# Altium PCB touch-2ch-v4.PcbDoc (part 5 of 8)
Units mm, origin at the board's own origin, x right, y up, seen from the top; angles counter-clockwise.
Board outline 39.88 x 84.36 mm, 2 copper layers (Top Layer, Bottom Layer); 1029 components, 40 nets, 2604 pads, 0 vias.
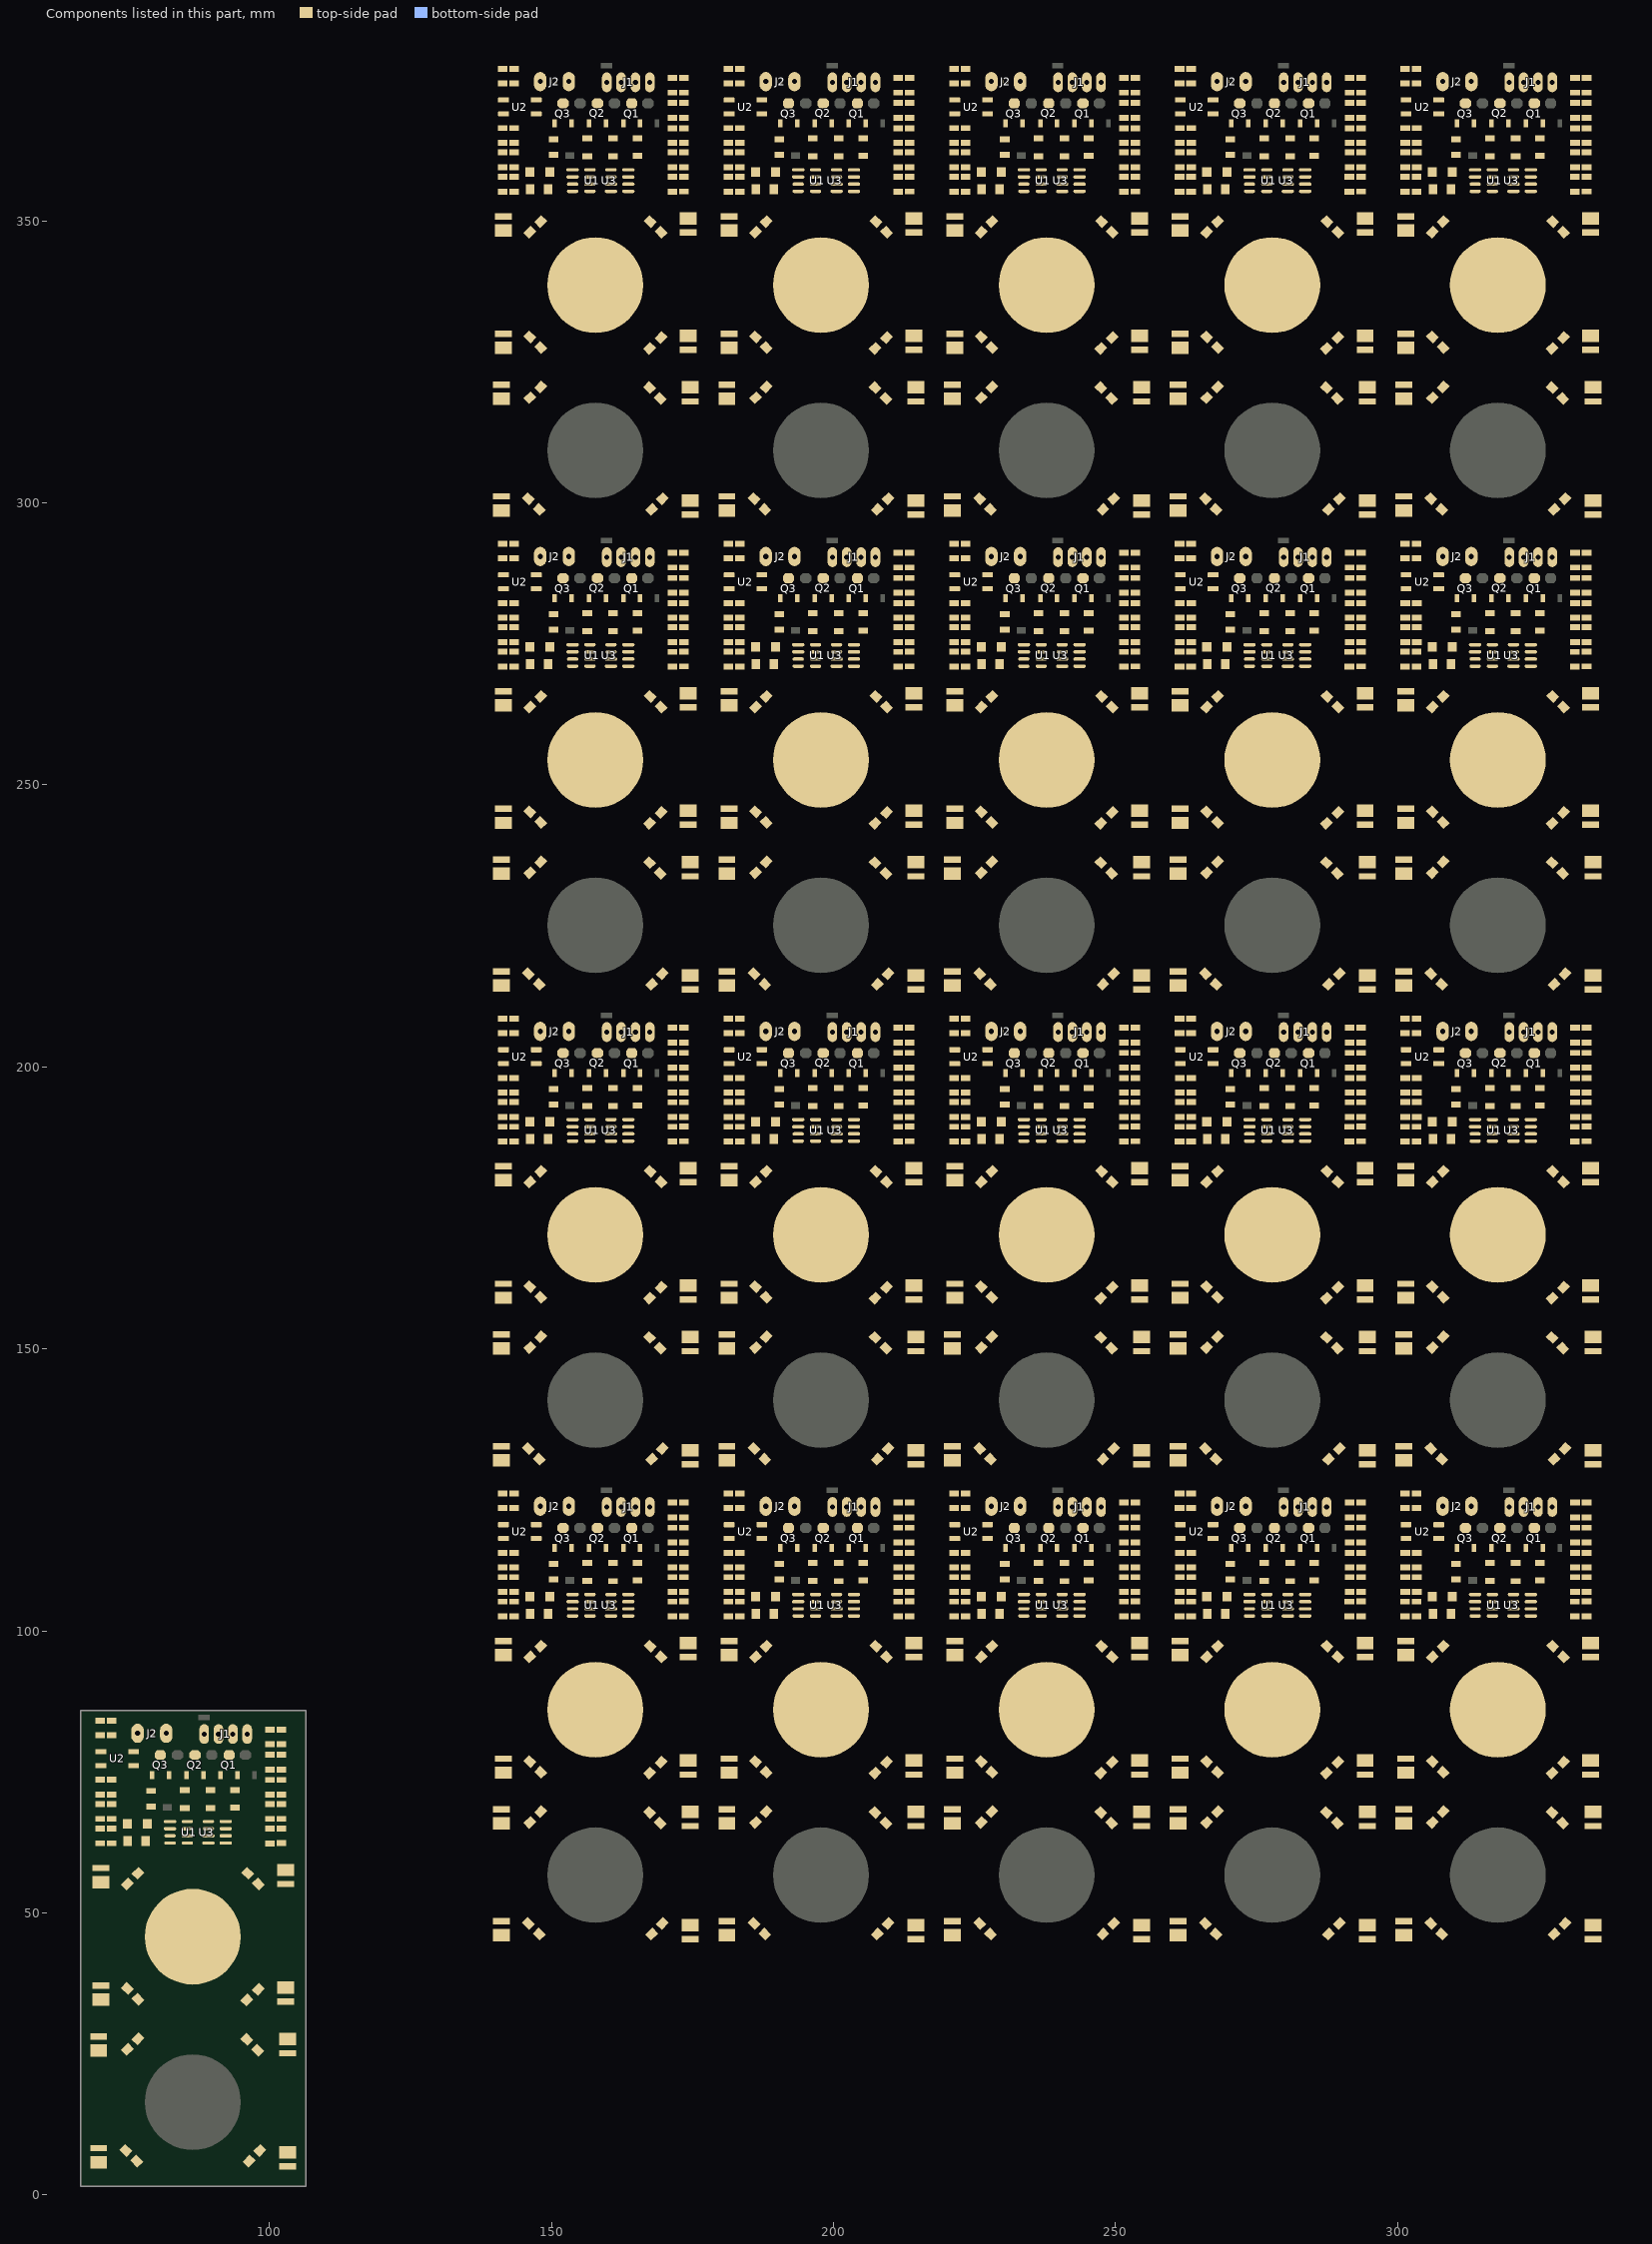
[diagram p5: the components of this part, seen from the top]

## Nets (pads, with @x,y where several pads share a name; then routed paths per layer and width w, separated by ;. In a path a pad name is that pad's centre, name@x,y a point inside that pad or via, vN(x,y) a via of type N, cw(c..) or ccw(c..) an arc to the next point about the centre after c; other vN are vias at no path point) (continued)
copper on no net: (continued)
  Top Layer w0.6: 139.606,97.95 140.859,97.95 141.097,98.188 ; 139.606,182.15 140.859,182.15 141.097,182.388 ; 139.606,266.35 140.859,266.35 141.097,266.588 ; 139.606,350.55 140.859,350.55 141.097,350.788 ; 141.097,68.343 140.147,68.343 139.847,68.643 139.847,68.856 138.947,69.756 138.947,97.529 139.399,97.981 139.606,98.188 ; 141.097,152.543 140.147,152.543 139.847,152.843 139.847,153.056 138.947,153.956 138.947,181.729 139.399,182.181 139.606,182.388 ; 141.097,236.743 140.147,236.743 139.847,237.043 139.847,237.256 138.947,238.156 138.947,265.929 139.399,266.381 139.606,266.588 ; 141.097,320.943 140.147,320.943 139.847,321.243 139.847,321.456 138.947,322.356 138.947,350.129 139.399,350.581 139.606,350.788 ; 141.478,98.188 140.859,98.188 139.606,98.188 ; 141.478,182.388 140.859,182.388 139.606,182.388 ; 141.478,266.588 140.859,266.588 139.606,266.588 ; 141.478,350.788 140.859,350.788 139.606,350.788 ; 143.355,121.768 141.351,121.768 140.945,121.768 139.192,120.015 139.192,98.539 139.543,98.188 139.606,98.188 ; 143.355,205.968 141.351,205.968 140.945,205.968 139.192,204.215 139.192,182.739 139.543,182.388 139.606,182.388 ; 143.355,290.168 141.351,290.168 140.945,290.168 139.192,288.415 139.192,266.939 139.543,266.588 139.606,266.588 ; 143.355,374.368 141.351,374.368 140.945,374.368 139.192,372.615 139.192,351.139 139.543,350.788 139.606,350.788 ; 147.299,116.377 147.419,116.377 147.574,116.222 147.574,114.808 149.818,112.564 149.818,112.112 150.043,111.887 150.368,111.887 ; 147.299,200.577 147.419,200.577 147.574,200.422 147.574,199.008 149.818,196.764 149.818,196.312 150.043,196.087 150.368,196.087 ; 147.299,284.777 147.419,284.777 147.574,284.622 147.574,283.208 149.818,280.964 149.818,280.512 150.043,280.287 150.368,280.287 ; 147.299,368.977 147.419,368.977 147.574,368.822 147.574,367.408 149.818,365.164 149.818,364.712 150.043,364.487 150.368,364.487 ; 150.719,109.067 150.918,108.868 150.918,108.162 152.632,106.448 153.751,106.448 ; 150.719,193.267 150.918,193.068 150.918,192.362 152.632,190.648 153.751,190.648 ; 150.719,277.467 150.918,277.268 150.918,276.562 152.632,274.848 153.751,274.848 ; 150.719,361.667 150.918,361.468 150.918,360.762 152.632,359.048 153.751,359.048 ; 153.459,106.448 157.425,106.448 ; 153.459,190.648 157.425,190.648 ; 153.459,274.848 157.425,274.848 ; 153.459,359.048 157.425,359.048 ; 153.542,114.682 153.542,114.382 153.642,114.281 153.79,114.281 156.035,112.036 156.36,112.036 ; 153.542,198.881 153.542,198.582 153.642,198.481 153.79,198.481 156.035,196.236 156.36,196.236 ; 153.542,283.081 153.542,282.781 153.642,282.681 153.79,282.681 156.035,280.436 156.36,280.436 ; 153.542,367.281 153.542,366.981 153.642,366.881 153.79,366.881 156.035,364.636 156.36,364.636 ; 153.566,114.449 153.566,115.092 ; 153.566,198.649 153.566,199.292 ; 153.566,282.849 153.566,283.492 ; 153.566,367.049 153.566,367.692 ; 153.751,102.638 154.595,102.638 155.451,103.494 155.451,103.508 155.851,103.908 156.707,103.908 ; 153.751,186.838 154.595,186.838 155.451,187.694 155.451,187.708 155.851,188.108 156.707,188.108 ; 153.751,271.038 154.595,271.038 155.451,271.894 155.451,271.908 155.851,272.308 156.707,272.308 ; 153.751,355.238 154.595,355.238 155.451,356.094 155.451,356.107 155.851,356.508 156.707,356.508 ; 159.662,114.403 159.762,114.303 ; 159.662,198.603 159.762,198.503 ; 159.662,282.803 159.762,282.703 ; 159.662,367.003 159.762,366.903 ; 159.763,114.303 160.274,113.792 160.274,112.262 160.499,112.036 160.678,112.036 ; 159.763,198.503 160.274,197.992 160.274,196.461 160.499,196.236 160.678,196.236 ; 159.763,282.703 160.274,282.192 160.274,280.661 160.499,280.436 160.678,280.436 ; 159.763,366.903 160.274,366.392 160.274,364.861 160.499,364.636 160.678,364.636 ; 160.517,105.178 160.551,105.178 161.251,105.178 161.273,105.156 162.805,105.156 162.828,105.178 163.628,105.178 164.428,105.178 164.45,105.156 165.608,105.156 166.243,105.791 166.243,108.077 165.608,108.712 ; 160.517,189.378 160.551,189.378 161.251,189.378 161.273,189.356 162.805,189.356 162.828,189.378 163.628,189.378 164.428,189.378 164.45,189.356 165.608,189.356 166.243,189.991 166.243,192.277 165.608,192.912 ; 160.517,273.578 160.551,273.578 161.251,273.578 161.273,273.556 162.805,273.556 162.828,273.578 163.628,273.578 164.428,273.578 164.45,273.556 165.608,273.556 166.243,274.191 166.243,276.477 165.608,277.112 ; 160.517,357.778 160.551,357.778 161.251,357.778 161.273,357.756 162.805,357.756 162.828,357.778 163.628,357.778 164.428,357.778 164.45,357.756 165.608,357.756 166.243,358.391 166.243,360.677 165.608,361.312 ; 160.551,102.638 163.322,102.638 ; 160.551,186.838 163.322,186.838 ; 160.551,271.038 163.322,271.038 ; 160.551,355.238 163.322,355.238 ; 160.565,103.908 161.351,103.908 161.373,103.886 162.805,103.886 162.828,103.908 163.628,103.908 164.428,103.908 164.45,103.886 166.266,103.886 ; 160.565,188.108 161.351,188.108 161.373,188.086 162.805,188.086 162.828,188.108 163.628,188.108 164.428,188.108 164.45,188.086 166.266,188.086 ; 160.565,272.308 161.351,272.308 161.373,272.286 162.805,272.286 162.828,272.308 163.628,272.308 164.428,272.308 164.45,272.286 166.266,272.286 ; 160.565,356.508 161.351,356.508 161.373,356.486 162.805,356.486 162.828,356.508 163.628,356.508 164.428,356.508 164.45,356.486 166.266,356.486 ; 160.655,106.448 160.655,108.593 160.88,108.818 160.932,108.818 161.036,108.714 161.036,108.818 ; 160.655,190.648 160.655,192.793 160.88,193.018 160.932,193.018 161.036,192.914 161.036,193.018 ; 160.655,274.848 160.655,276.993 160.88,277.218 160.932,277.218 161.036,277.114 161.036,277.218 ; 160.655,359.048 160.655,361.193 160.88,361.418 160.932,361.418 161.036,361.314 161.036,361.418 ; 161.059,106.448 161.417,106.448 164.136,106.448 164.219,106.448 ; 161.059,190.648 161.417,190.648 164.136,190.648 164.219,190.648 ; 161.059,274.848 161.417,274.848 164.136,274.848 164.219,274.848 ; 161.059,359.048 161.417,359.048 164.136,359.048 164.219,359.048 ; 164.996,112.036 165.321,112.036 165.734,112.449 165.734,114.682 ; 164.996,196.236 165.321,196.236 165.734,196.649 165.734,198.881 ; 164.996,280.436 165.321,280.436 165.734,280.849 165.734,283.081 ; 164.996,364.636 165.321,364.636 165.734,365.049 165.734,367.281 ; 174.498,67.888 175.201,68.591 175.201,69.537 176.657,70.993 176.657,121.539 ; 174.498,152.088 175.201,152.791 175.201,153.737 176.657,155.193 176.657,205.739 ; 174.498,236.288 175.201,236.991 175.201,237.937 176.657,239.393 176.657,289.939 ; 174.498,320.488 175.201,321.191 175.201,322.137 176.657,323.593 176.657,374.139 ; 179.606,97.95 180.859,97.95 181.097,98.188 ; 179.606,182.15 180.859,182.15 181.097,182.388 ; 179.606,266.35 180.859,266.35 181.097,266.588 ; 179.606,350.55 180.859,350.55 181.097,350.788 ; 181.097,68.343 180.147,68.343 179.847,68.643 179.847,68.856 178.947,69.756 178.947,97.529 179.399,97.981 179.606,98.188 ; 181.097,152.543 180.147,152.543 179.847,152.843 179.847,153.056 178.947,153.956 178.947,181.729 179.399,182.181 179.606,182.388 ; 181.097,236.743 180.147,236.743 179.847,237.043 179.847,237.256 178.947,238.156 178.947,265.929 179.399,266.381 179.606,266.588 ; 181.097,320.943 180.147,320.943 179.847,321.243 179.847,321.456 178.947,322.356 178.947,350.129 179.399,350.581 179.606,350.788 ; 181.478,98.188 180.859,98.188 179.606,98.188 ; 181.478,182.388 180.859,182.388 179.606,182.388 ; 181.478,266.588 180.859,266.588 179.606,266.588 ; 181.478,350.788 180.859,350.788 179.606,350.788 ; 183.355,121.768 181.351,121.768 180.945,121.768 179.192,120.015 179.192,98.539 179.543,98.188 179.606,98.188 ; 183.355,205.968 181.351,205.968 180.945,205.968 179.192,204.215 179.192,182.739 179.543,182.388 179.606,182.388 ; 183.355,290.168 181.351,290.168 180.945,290.168 179.192,288.415 179.192,266.939 179.543,266.588 179.606,266.588 ; 183.355,374.368 181.351,374.368 180.945,374.368 179.192,372.615 179.192,351.139 179.543,350.788 179.606,350.788 ; 187.299,116.377 187.419,116.377 187.574,116.222 187.574,114.808 189.818,112.564 189.818,112.112 190.043,111.887 190.368,111.887 ; 187.299,200.577 187.419,200.577 187.574,200.422 187.574,199.008 189.818,196.764 189.818,196.312 190.043,196.087 190.368,196.087 ; 187.299,284.777 187.419,284.777 187.574,284.622 187.574,283.208 189.818,280.964 189.818,280.512 190.043,280.287 190.368,280.287 ; 187.299,368.977 187.419,368.977 187.574,368.822 187.574,367.408 189.818,365.164 189.818,364.712 190.043,364.487 190.368,364.487 ; 190.719,109.067 190.918,108.868 190.918,108.162 192.632,106.448 193.751,106.448 ; 190.719,193.267 190.918,193.068 190.918,192.362 192.632,190.648 193.751,190.648 ; 190.719,277.467 190.918,277.268 190.918,276.562 192.632,274.848 193.751,274.848 ; 190.719,361.667 190.918,361.468 190.918,360.762 192.632,359.048 193.751,359.048 ; 193.459,106.448 197.425,106.448 ; 193.459,190.648 197.425,190.648 ; 193.459,274.848 197.425,274.848 ; 193.459,359.048 197.425,359.048 ; 193.542,114.682 193.542,114.382 193.642,114.281 193.79,114.281 196.034,112.036 196.36,112.036 ; 193.542,198.881 193.542,198.582 193.642,198.481 193.79,198.481 196.034,196.236 196.36,196.236 ; 193.542,283.081 193.542,282.781 193.642,282.681 193.79,282.681 196.034,280.436 196.36,280.436 ; 193.542,367.281 193.542,366.981 193.642,366.881 193.79,366.881 196.034,364.636 196.36,364.636 ; 193.566,114.449 193.566,115.092 ; 193.566,198.649 193.566,199.292 ; 193.566,282.849 193.566,283.492 ; 193.566,367.049 193.566,367.692 ; 193.751,102.638 194.595,102.638 195.451,103.494 195.451,103.508 195.851,103.908 196.707,103.908 ; 193.751,186.838 194.595,186.838 195.451,187.694 195.451,187.708 195.851,188.108 196.707,188.108 ; 193.751,271.038 194.595,271.038 195.451,271.894 195.451,271.908 195.851,272.308 196.707,272.308 ; 193.751,355.238 194.595,355.238 195.451,356.094 195.451,356.107 195.851,356.508 196.707,356.508 ; 199.662,114.403 199.762,114.303 200.274,113.792 200.274,112.262 200.499,112.036 200.678,112.036 ; 199.662,198.603 199.762,198.503 200.274,197.992 200.274,196.461 200.499,196.236 200.678,196.236 ; 199.662,282.803 199.762,282.703 200.274,282.192 200.274,280.661 200.499,280.436 200.678,280.436 ; 199.662,367.003 199.762,366.903 200.274,366.392 200.274,364.861 200.499,364.636 200.678,364.636 ; 200.517,105.178 200.551,105.178 201.25,105.178 201.273,105.156 202.805,105.156 202.828,105.178 203.628,105.178 204.428,105.178 204.45,105.156 205.608,105.156 206.243,105.791 206.243,108.077 205.608,108.712 ; 200.517,189.378 200.551,189.378 201.25,189.378 201.273,189.356 202.805,189.356 202.828,189.378 203.628,189.378 204.428,189.378 204.45,189.356 205.608,189.356 206.243,189.991 206.243,192.277 205.608,192.912 ; 200.517,273.578 200.551,273.578 201.25,273.578 201.273,273.556 202.805,273.556 202.828,273.578 203.628,273.578 204.428,273.578 204.45,273.556 205.608,273.556 206.243,274.191 206.243,276.477 205.608,277.112 ; 200.517,357.778 200.551,357.778 201.25,357.778 201.273,357.756 202.805,357.756 202.828,357.778 203.628,357.778 204.428,357.778 204.45,357.756 205.608,357.756 206.243,358.391 206.243,360.677 205.608,361.312 ; 200.551,102.638 203.322,102.638 ; 200.551,186.838 203.322,186.838 ; 200.551,271.038 203.322,271.038 ; 200.551,355.238 203.322,355.238 ; 200.565,103.908 201.35,103.908 201.373,103.886 202.805,103.886 202.828,103.908 203.628,103.908 204.428,103.908 204.45,103.886 206.266,103.886 ; 200.565,188.108 201.35,188.108 201.373,188.086 202.805,188.086 202.828,188.108 203.628,188.108 204.428,188.108 204.45,188.086 206.266,188.086 ; 200.565,272.308 201.35,272.308 201.373,272.286 202.805,272.286 202.828,272.308 203.628,272.308 204.428,272.308 204.45,272.286 206.266,272.286 ; 200.565,356.508 201.35,356.508 201.373,356.486 202.805,356.486 202.828,356.508 203.628,356.508 204.428,356.508 204.45,356.486 206.266,356.486 ; 200.655,106.448 200.655,108.593 200.88,108.818 200.932,108.818 201.036,108.714 201.036,108.818 ; 200.655,190.648 200.655,192.793 200.88,193.018 200.932,193.018 201.036,192.914 201.036,193.018 ; 200.655,274.848 200.655,276.993 200.88,277.218 200.932,277.218 201.036,277.114 201.036,277.218 ; 200.655,359.048 200.655,361.193 200.88,361.418 200.932,361.418 201.036,361.314 201.036,361.418 ; 201.059,106.448 201.417,106.448 204.136,106.448 204.219,106.448 ; 201.059,190.648 201.417,190.648 204.136,190.648 204.219,190.648 ; 201.059,274.848 201.417,274.848 204.136,274.848 204.219,274.848 ; 201.059,359.048 201.417,359.048 204.136,359.048 204.219,359.048 ; 204.996,112.036 205.321,112.036 205.734,112.449 205.734,114.682 ; 204.996,196.236 205.321,196.236 205.734,196.649 205.734,198.881 ; 204.996,280.436 205.321,280.436 205.734,280.849 205.734,283.081 ; 204.996,364.636 205.321,364.636 205.734,365.049 205.734,367.281 ; 214.498,67.888 215.201,68.591 215.201,69.537 216.657,70.993 216.657,121.539 ; 214.498,152.088 215.201,152.791 215.201,153.737 216.657,155.193 216.657,205.739 ; 214.498,236.288 215.201,236.991 215.201,237.937 216.657,239.393 216.657,289.939 ; 214.498,320.488 215.201,321.191 215.201,322.137 216.657,323.593 216.657,374.139 ; 219.606,97.95 220.859,97.95 221.097,98.188 ; 219.606,182.15 220.859,182.15 221.097,182.388 ; 219.606,266.35 220.859,266.35 221.097,266.588 ; 219.606,350.55 220.859,350.55 221.097,350.788 ; 221.097,68.343 220.147,68.343 219.847,68.643 219.847,68.856 218.947,69.756 218.947,97.529 219.399,97.981 219.606,98.188 ; 221.097,152.543 220.147,152.543 219.847,152.843 219.847,153.056 218.947,153.956 218.947,181.729 219.399,182.181 219.606,182.388 ; 221.097,236.743 220.147,236.743 219.847,237.043 219.847,237.256 218.947,238.156 218.947,265.929 219.399,266.381 219.606,266.588 ; 221.097,320.943 220.147,320.943 219.847,321.243 219.847,321.456 218.947,322.356 218.947,350.129 219.399,350.581 219.606,350.788 ; 221.478,98.188 220.859,98.188 219.606,98.188 ; 221.478,182.388 220.859,182.388 219.606,182.388 ; 221.478,266.588 220.859,266.588 219.606,266.588 ; 221.478,350.788 220.859,350.788 219.606,350.788 ; 223.355,121.768 221.351,121.768 220.945,121.768 219.192,120.015 219.192,98.539 219.543,98.188 219.606,98.188 ; 223.355,205.968 221.351,205.968 220.945,205.968 219.192,204.215 219.192,182.739 219.543,182.388 219.606,182.388 ; 223.355,290.168 221.351,290.168 220.945,290.168 219.192,288.415 219.192,266.939 219.543,266.588 219.606,266.588 ; 223.355,374.368 221.351,374.368 220.945,374.368 219.192,372.615 219.192,351.139 219.543,350.788 219.606,350.788 ; 227.299,116.377 227.419,116.377 227.574,116.222 227.574,114.808 229.818,112.564 229.818,112.112 230.043,111.887 230.368,111.887 ; 227.299,200.577 227.419,200.577 227.574,200.422 227.574,199.008 229.818,196.764 229.818,196.312 230.043,196.087 230.368,196.087 ; 227.299,284.777 227.419,284.777 227.574,284.622 227.574,283.208 229.818,280.964 229.818,280.512 230.043,280.287 230.368,280.287 ; 227.299,368.977 227.419,368.977 227.574,368.822 227.574,367.408 229.818,365.164 229.818,364.712 230.043,364.487 230.368,364.487 ; 230.719,109.067 230.918,108.868 230.918,108.162 232.632,106.448 233.751,106.448 ; 230.719,193.267 230.918,193.068 230.918,192.362 232.632,190.648 233.751,190.648 ; 230.719,277.467 230.918,277.268 230.918,276.562 232.632,274.848 233.751,274.848 ; 230.719,361.667 230.918,361.468 230.918,360.762 232.632,359.048 233.751,359.048 ; 233.459,106.448 237.425,106.448 ; 233.459,190.648 237.425,190.648 ; 233.459,274.848 237.425,274.848 ; 233.459,359.048 237.425,359.048 ; 233.541,114.682 233.541,114.382 233.642,114.281 233.789,114.281 236.034,112.036 236.359,112.036 ; 233.541,198.881 233.541,198.582 233.642,198.481 233.789,198.481 236.034,196.236 236.359,196.236 ; 233.541,283.081 233.541,282.781 233.642,282.681 233.789,282.681 236.034,280.436 236.359,280.436 ; 233.541,367.281 233.541,366.981 233.642,366.881 233.789,366.881 236.034,364.636 236.359,364.636 ; 233.565,114.449 233.565,115.092 ; 233.565,198.649 233.565,199.292 ; 233.565,282.849 233.565,283.492 ; 233.565,367.049 233.565,367.692 ; 233.751,102.638 234.595,102.638 235.45,103.494 235.45,103.508 235.851,103.908 236.707,103.908 ; 233.751,186.838 234.595,186.838 235.45,187.694 235.45,187.708 235.851,188.108 236.707,188.108 ; 233.751,271.038 234.595,271.038 235.45,271.894 235.45,271.908 235.851,272.308 236.707,272.308 ; 233.751,355.238 234.595,355.238 235.45,356.094 235.45,356.107 235.851,356.508 236.707,356.508 ; 239.661,114.403 239.762,114.303 240.274,113.792 240.274,112.262 240.499,112.036 240.677,112.036 ; 239.661,198.603 239.762,198.503 240.274,197.992 240.274,196.461 240.499,196.236 240.677,196.236 ; 239.661,282.803 239.762,282.703 240.274,282.192 240.274,280.661 240.499,280.436 240.677,280.436 ; 239.661,367.003 239.762,366.903 240.274,366.392 240.274,364.861 240.499,364.636 240.677,364.636 ; 240.517,105.178 240.55,105.178 241.25,105.178 241.273,105.156 242.805,105.156 242.828,105.178 243.628,105.178 244.427,105.178 244.45,105.156 245.608,105.156 246.243,105.791 246.243,108.077 245.608,108.712 ; 240.517,189.378 240.55,189.378 241.25,189.378 241.273,189.356 242.805,189.356 242.828,189.378 243.628,189.378 244.427,189.378 244.45,189.356 245.608,189.356 246.243,189.991 246.243,192.277 245.608,192.912 ; 240.517,273.578 240.55,273.578 241.25,273.578 241.273,273.556 242.805,273.556 242.828,273.578 243.628,273.578 244.427,273.578 244.45,273.556 245.608,273.556 246.243,274.191 246.243,276.477 245.608,277.112 ; 240.517,357.778 240.55,357.778 241.25,357.778 241.273,357.756 242.805,357.756 242.828,357.778 243.628,357.778 244.427,357.778 244.45,357.756 245.608,357.756 246.243,358.391 246.243,360.677 245.608,361.312 ; 240.55,102.638 243.322,102.638 ; 240.55,186.838 243.322,186.838 ; 240.55,271.038 243.322,271.038 ; 240.55,355.238 243.322,355.238 ; 240.565,103.908 241.35,103.908 241.373,103.886 242.805,103.886 242.828,103.908 243.628,103.908 244.427,103.908 244.45,103.886 246.265,103.886 ; 240.565,188.108 241.35,188.108 241.373,188.086 242.805,188.086 242.828,188.108 243.628,188.108 244.427,188.108 244.45,188.086 246.265,188.086 ; 240.565,272.308 241.35,272.308 241.373,272.286 242.805,272.286 242.828,272.308 243.628,272.308 244.427,272.308 244.45,272.286 246.265,272.286 ; 240.565,356.508 241.35,356.508 241.373,356.486 242.805,356.486 242.828,356.508 243.628,356.508 244.427,356.508 244.45,356.486 246.265,356.486 ; 240.655,106.448 240.655,108.593 240.88,108.818 240.931,108.818 241.036,108.714 241.036,108.818 ; 240.655,190.648 240.655,192.793 240.88,193.018 240.931,193.018 241.036,192.914 241.036,193.018 ; 240.655,274.848 240.655,276.993 240.88,277.218 240.931,277.218 241.036,277.114 241.036,277.218 ; 240.655,359.048 240.655,361.193 240.88,361.418 240.931,361.418 241.036,361.314 241.036,361.418 ; 241.058,106.448 241.417,106.448 244.136,106.448 244.219,106.448 ; 241.058,190.648 241.417,190.648 244.136,190.648 244.219,190.648 ; 241.058,274.848 241.417,274.848 244.136,274.848 244.219,274.848 ; 241.058,359.048 241.417,359.048 244.136,359.048 244.219,359.048 ; 244.995,112.036 245.32,112.036 245.733,112.449 245.733,114.682 ; 244.995,196.236 245.32,196.236 245.733,196.649 245.733,198.881 ; 244.995,280.436 245.32,280.436 245.733,280.849 245.733,283.081 ; 244.995,364.636 245.32,364.636 245.733,365.049 245.733,367.281 ; 254.498,67.888 255.201,68.591 255.201,69.537 256.657,70.993 256.657,121.539 ; 254.498,152.088 255.201,152.791 255.201,153.737 256.657,155.193 256.657,205.739 ; 254.498,236.288 255.201,236.991 255.201,237.937 256.657,239.393 256.657,289.939 ; 254.498,320.488 255.201,321.191 255.201,322.137 256.657,323.593 256.657,374.139 ; 259.606,97.95 260.859,97.95 261.097,98.188 ; 259.606,182.15 260.859,182.15 261.097,182.388 ; 259.606,266.35 260.859,266.35 261.097,266.588 ; 259.606,350.55 260.859,350.55 261.097,350.788 ; 261.097,68.343 260.147,68.343 259.847,68.643 259.847,68.856 258.947,69.756 258.947,97.529 259.399,97.981 259.606,98.188 ; 261.097,152.543 260.147,152.543 259.847,152.843 259.847,153.056 258.947,153.956 258.947,181.729 259.399,182.181 259.606,182.388 ; 261.097,236.743 260.147,236.743 259.847,237.043 259.847,237.256 258.947,238.156 258.947,265.929 259.399,266.381 259.606,266.588 ; 261.097,320.943 260.147,320.943 259.847,321.243 259.847,321.456 258.947,322.356 258.947,350.129 259.399,350.581 259.606,350.788 ; 261.478,98.188 260.859,98.188 259.606,98.188 ; 261.478,182.388 260.859,182.388 259.606,182.388 ; 261.478,266.588 260.859,266.588 259.606,266.588 ; 261.478,350.788 260.859,350.788 259.606,350.788 ; 263.355,121.768 261.351,121.768 260.945,121.768 259.192,120.015 259.192,98.539 259.543,98.188 259.606,98.188 ; 263.355,205.968 261.351,205.968 260.945,205.968 259.192,204.215 259.192,182.739 259.543,182.388 259.606,182.388 ; 263.355,290.168 261.351,290.168 260.945,290.168 259.192,288.415 259.192,266.939 259.543,266.588 259.606,266.588 ; 263.355,374.368 261.351,374.368 260.945,374.368 259.192,372.615 259.192,351.139 259.543,350.788 259.606,350.788 ; 267.299,116.377 267.419,116.377 267.574,116.222 267.574,114.808 269.818,112.564 269.818,112.112 270.043,111.887 270.368,111.887 ; 267.299,200.577 267.419,200.577 267.574,200.422 267.574,199.008 269.818,196.764 269.818,196.312 270.043,196.087 270.368,196.087 ; 267.299,284.777 267.419,284.777 267.574,284.622 267.574,283.208 269.818,280.964 269.818,280.512 270.043,280.287 270.368,280.287 ; 267.299,368.977 267.419,368.977 267.574,368.822 267.574,367.408 269.818,365.164 269.818,364.712 270.043,364.487 270.368,364.487 ; 270.719,109.067 270.918,108.868 270.918,108.162 272.632,106.448 273.751,106.448 ; 270.719,193.267 270.918,193.068 270.918,192.362 272.632,190.648 273.751,190.648 ; 270.719,277.467 270.918,277.268 270.918,276.562 272.632,274.848 273.751,274.848 ; 270.719,361.667 270.918,361.468 270.918,360.762 272.632,359.048 273.751,359.048 ; 273.459,106.448 277.425,106.448 ; 273.459,190.648 277.425,190.648 ; 273.459,274.848 277.425,274.848 ; 273.459,359.048 277.425,359.048 ; 273.542,114.682 273.542,114.382 273.642,114.281 273.79,114.281 276.035,112.036 276.36,112.036 ; 273.542,198.881 273.542,198.582 273.642,198.481 273.79,198.481 276.035,196.236 276.36,196.236 ; 273.542,283.081 273.542,282.781 273.642,282.681 273.79,282.681 276.035,280.436 276.36,280.436 ; 273.542,367.281 273.542,366.981 273.642,366.881 273.79,366.881 276.035,364.636 276.36,364.636 ; 273.566,114.449 273.566,115.092 ; 273.566,198.649 273.566,199.292 ; 273.566,282.849 273.566,283.492 ; 273.566,367.049 273.566,367.692 ; 273.751,102.638 274.595,102.638 275.451,103.494 275.451,103.508 275.852,103.908 276.707,103.908 ; 273.751,186.838 274.595,186.838 275.451,187.694 275.451,187.708 275.852,188.108 276.707,188.108 ; 273.751,271.038 274.595,271.038 275.451,271.894 275.451,271.908 275.852,272.308 276.707,272.308 ; 273.751,355.238 274.595,355.238 275.451,356.094 275.451,356.107 275.852,356.508 276.707,356.508 ; 279.662,114.403 279.762,114.303 280.274,113.792 280.274,112.262 280.499,112.036 280.678,112.036 ; 279.662,198.603 279.762,198.503 280.274,197.992 280.274,196.461 280.499,196.236 280.678,196.236 ; 279.662,282.803 279.762,282.703 280.274,282.192 280.274,280.661 280.499,280.436 280.678,280.436 ; 279.662,367.003 279.762,366.903 280.274,366.392 280.274,364.861 280.499,364.636 280.678,364.636 ; 280.517,105.178 280.551,105.178 281.251,105.178 281.273,105.156 282.805,105.156 282.828,105.178 283.628,105.178 284.428,105.178 284.45,105.156 285.608,105.156 286.243,105.791 286.243,108.077 285.608,108.712 ; 280.517,189.378 280.551,189.378 281.251,189.378 281.273,189.356 282.805,189.356 282.828,189.378 283.628,189.378 284.428,189.378 284.45,189.356 285.608,189.356 286.243,189.991 286.243,192.277 285.608,192.912 ; 280.517,273.578 280.551,273.578 281.251,273.578 281.273,273.556 282.805,273.556 282.828,273.578 283.628,273.578 284.428,273.578 284.45,273.556 285.608,273.556 286.243,274.191 286.243,276.477 285.608,277.112 ; 280.517,357.778 280.551,357.778 281.251,357.778 281.273,357.756 282.805,357.756 282.828,357.778 283.628,357.778 284.428,357.778 284.45,357.756 285.608,357.756 286.243,358.391 286.243,360.677 285.608,361.312 ; 280.551,102.638 283.322,102.638 ; 280.551,186.838 283.322,186.838 ; 280.551,271.038 283.322,271.038 ; 280.551,355.238 283.322,355.238 ; 280.565,103.908 281.351,103.908 281.373,103.886 282.805,103.886 282.828,103.908 283.628,103.908 284.428,103.908 284.45,103.886 286.266,103.886 ; 280.565,188.108 281.351,188.108 281.373,188.086 282.805,188.086 282.828,188.108 283.628,188.108 284.428,188.108 284.45,188.086 286.266,188.086 ; 280.565,272.308 281.351,272.308 281.373,272.286 282.805,272.286 282.828,272.308 283.628,272.308 284.428,272.308 284.45,272.286 286.266,272.286 ; 280.565,356.508 281.351,356.508 281.373,356.486 282.805,356.486 282.828,356.508 283.628,356.508 284.428,356.508 284.45,356.486 286.266,356.486 ; 280.655,106.448 280.655,108.593 280.88,108.818 280.932,108.818 281.036,108.714 281.036,108.818 ; 280.655,190.648 280.655,192.793 280.88,193.018 280.932,193.018 281.036,192.914 281.036,193.018 ; 280.655,274.848 280.655,276.993 280.88,277.218 280.932,277.218 281.036,277.114 281.036,277.218 ; 280.655,359.048 280.655,361.193 280.88,361.418 280.932,361.418 281.036,361.314 281.036,361.418 ; 281.059,106.448 281.417,106.448 284.136,106.448 284.219,106.448 ; 281.059,190.648 281.417,190.648 284.136,190.648 284.219,190.648 ; 281.059,274.848 281.417,274.848 284.136,274.848 284.219,274.848 ; 281.059,359.048 281.417,359.048 284.136,359.048 284.219,359.048 ; 284.996,112.036 285.321,112.036 285.734,112.449 285.734,114.682 ; 284.996,196.236 285.321,196.236 285.734,196.649 285.734,198.881 ; 284.996,280.436 285.321,280.436 285.734,280.849 285.734,283.081 ; 284.996,364.636 285.321,364.636 285.734,365.049 285.734,367.281 ; 294.498,67.888 295.201,68.591 295.201,69.537 296.657,70.993 296.657,121.539 ; 294.498,152.088 295.201,152.791 295.201,153.737 296.657,155.193 296.657,205.739 ; 294.498,236.288 295.201,236.991 295.201,237.937 296.657,239.393 296.657,289.939 ; 294.498,320.488 295.201,321.191 295.201,322.137 296.657,323.593 296.657,374.139 ; 299.606,97.95 300.859,97.95 301.097,98.188 ; 299.606,182.15 300.859,182.15 301.097,182.388 ; 299.606,266.35 300.859,266.35 301.097,266.588 ; 299.606,350.55 300.859,350.55 301.097,350.788 ; 301.097,68.343 300.147,68.343 299.847,68.643 299.847,68.856 298.947,69.756 298.947,97.529 299.399,97.981 299.606,98.188 ; 301.097,152.543 300.147,152.543 299.847,152.843 299.847,153.056 298.947,153.956 298.947,181.729 299.399,182.181 299.606,182.388 ; 301.097,236.743 300.147,236.743 299.847,237.043 299.847,237.256 298.947,238.156 298.947,265.929 299.399,266.381 299.606,266.588 ; 301.097,320.943 300.147,320.943 299.847,321.243 299.847,321.456 298.947,322.356 298.947,350.129 299.399,350.581 299.606,350.788 ; 301.478,98.188 300.859,98.188 299.606,98.188 ; 301.478,182.388 300.859,182.388 299.606,182.388 ; 301.478,266.588 300.859,266.588 299.606,266.588 ; 301.478,350.788 300.859,350.788 299.606,350.788 ; 303.355,121.768 301.351,121.768 300.945,121.768 299.192,120.015 299.192,98.539 299.543,98.188 299.606,98.188 ; 303.355,205.968 301.351,205.968 300.945,205.968 299.192,204.215 299.192,182.739 299.543,182.388 299.606,182.388 ; 303.355,290.168 301.351,290.168 300.945,290.168 299.192,288.415 299.192,266.939 299.543,266.588 299.606,266.588 ; 303.355,374.368 301.351,374.368 300.945,374.368 299.192,372.615 299.192,351.139 299.543,350.788 299.606,350.788 ; 307.299,116.377 307.419,116.377 307.574,116.222 307.574,114.808 309.818,112.564 309.818,112.112 310.043,111.887 310.368,111.887 ; 307.299,200.577 307.419,200.577 307.574,200.422 307.574,199.008 309.818,196.764 309.818,196.312 310.043,196.087 310.368,196.087 ; 307.299,284.777 307.419,284.777 307.574,284.622 307.574,283.208 309.818,280.964 309.818,280.512 310.043,280.287 310.368,280.287 ; 307.299,368.977 307.419,368.977 307.574,368.822 307.574,367.408 309.818,365.164 309.818,364.712 310.043,364.487 310.368,364.487 ; 310.719,109.067 310.918,108.868 310.918,108.162 312.631,106.448 313.75,106.448 ; 310.719,193.267 310.918,193.068 310.918,192.362 312.631,190.648 313.75,190.648 ; 310.719,277.467 310.918,277.268 310.918,276.562 312.631,274.848 313.75,274.848 ; 310.719,361.667 310.918,361.468 310.918,360.762 312.631,359.048 313.75,359.048 ; 313.458,106.448 317.425,106.448 ; 313.458,190.648 317.425,190.648 ; 313.458,274.848 317.425,274.848 ; 313.458,359.048 317.425,359.048 ; 313.541,114.682 313.541,114.382 313.641,114.281 313.789,114.281 316.034,112.036 316.359,112.036 ; 313.541,198.881 313.541,198.582 313.641,198.481 313.789,198.481 316.034,196.236 316.359,196.236 ; 313.541,283.081 313.541,282.781 313.641,282.681 313.789,282.681 316.034,280.436 316.359,280.436 ; 313.541,367.281 313.541,366.981 313.641,366.881 313.789,366.881 316.034,364.636 316.359,364.636 ; 313.565,114.449 313.565,115.092 ; 313.565,198.649 313.565,199.292 ; 313.565,282.849 313.565,283.492 ; 313.565,367.049 313.565,367.692 ; 313.75,102.638 314.595,102.638 315.45,103.494 315.45,103.508 315.851,103.908 316.707,103.908 ; 313.75,186.838 314.595,186.838 315.45,187.694 315.45,187.708 315.851,188.108 316.707,188.108 ; 313.75,271.038 314.595,271.038 315.45,271.894 315.45,271.908 315.851,272.308 316.707,272.308 ; 313.75,355.238 314.595,355.238 315.45,356.094 315.45,356.107 315.851,356.508 316.707,356.508 ; 319.661,114.403 319.761,114.303 320.274,113.792 320.274,112.262 320.499,112.036 320.677,112.036 ; 319.661,198.603 319.761,198.503 320.274,197.992 320.274,196.461 320.499,196.236 320.677,196.236 ; 319.661,282.803 319.761,282.703 320.274,282.192 320.274,280.661 320.499,280.436 320.677,280.436 ; 319.661,367.003 319.761,366.903 320.274,366.392 320.274,364.861 320.499,364.636 320.677,364.636 ; 320.517,105.178 320.55,105.178 321.25,105.178 321.273,105.156 322.805,105.156 322.828,105.178 323.627,105.178 324.427,105.178 324.45,105.156 325.608,105.156 326.243,105.791 326.243,108.077 325.608,108.712 ; 320.517,189.378 320.55,189.378 321.25,189.378 321.273,189.356 322.805,189.356 322.828,189.378 323.627,189.378 324.427,189.378 324.45,189.356 325.608,189.356 326.243,189.991 326.243,192.277 325.608,192.912 ; 320.517,273.578 320.55,273.578 321.25,273.578 321.273,273.556 322.805,273.556 322.828,273.578 323.627,273.578 324.427,273.578 324.45,273.556 325.608,273.556 326.243,274.191 326.243,276.477 325.608,277.112 ; 320.517,357.778 320.55,357.778 321.25,357.778 321.273,357.756 322.805,357.756 322.828,357.778 323.627,357.778 324.427,357.778 324.45,357.756 325.608,357.756 326.243,358.391 326.243,360.677 325.608,361.312 ; 320.55,102.638 323.322,102.638 ; 320.55,186.838 323.322,186.838 ; 320.55,271.038 323.322,271.038 ; 320.55,355.238 323.322,355.238 ; 320.565,103.908 321.35,103.908 321.373,103.886 322.805,103.886 322.828,103.908 323.627,103.908 324.427,103.908 324.45,103.886 326.265,103.886 ; 320.565,188.108 321.35,188.108 321.373,188.086 322.805,188.086 322.828,188.108 323.627,188.108 324.427,188.108 324.45,188.086 326.265,188.086 ; 320.565,272.308 321.35,272.308 321.373,272.286 322.805,272.286 322.828,272.308 323.627,272.308 324.427,272.308 324.45,272.286 326.265,272.286 ; 320.565,356.508 321.35,356.508 321.373,356.486 322.805,356.486 322.828,356.508 323.627,356.508 324.427,356.508 324.45,356.486 326.265,356.486 ; 320.655,106.448 320.655,108.593 320.88,108.818 320.931,108.818 321.036,108.714 321.036,108.818 ; 320.655,190.648 320.655,192.793 320.88,193.018 320.931,193.018 321.036,192.914 321.036,193.018 ; 320.655,274.848 320.655,276.993 320.88,277.218 320.931,277.218 321.036,277.114 321.036,277.218 ; 320.655,359.048 320.655,361.193 320.88,361.418 320.931,361.418 321.036,361.314 321.036,361.418 ; 321.058,106.448 321.417,106.448 324.135,106.448 324.219,106.448 ; 321.058,190.648 321.417,190.648 324.135,190.648 324.219,190.648 ; 321.058,274.848 321.417,274.848 324.135,274.848 324.219,274.848 ; 321.058,359.048 321.417,359.048 324.135,359.048 324.219,359.048 ; 324.995,112.036 325.32,112.036 325.733,112.449 325.733,114.682 ; 324.995,196.236 325.32,196.236 325.733,196.649 325.733,198.881 ; 324.995,280.436 325.32,280.436 325.733,280.849 325.733,283.081 ; 324.995,364.636 325.32,364.636 325.733,365.049 325.733,367.281 ; 334.498,67.888 335.201,68.591 335.201,69.537 336.657,70.993 336.657,121.539 ; 334.498,152.088 335.201,152.791 335.201,153.737 336.657,155.193 336.657,205.739 ; 334.498,236.288 335.201,236.991 335.201,237.937 336.657,239.393 336.657,289.939 ; 334.498,320.488 335.201,321.191 335.201,322.137 336.657,323.593 336.657,374.139
  Top Layer w0.7: 143.406,113.845 143.581,113.67 144.013,113.67 145.796,111.887 145.796,106.426 146.177,106.045 ; 143.406,198.045 143.581,197.87 144.013,197.87 145.796,196.087 145.796,190.626 146.177,190.245 ; 143.406,282.245 143.581,282.07 144.013,282.07 145.796,280.287 145.796,274.826 146.177,274.445 ; 143.406,366.445 143.581,366.27 144.013,366.27 145.796,364.487 145.796,359.026 146.177,358.645 ; 146.294,105.669 146.294,102.997 146.652,102.639 146.652,102.014 147.828,100.838 151.511,100.838 153.101,102.428 153.101,102.588 ; 146.294,189.869 146.294,187.197 146.652,186.839 146.652,186.214 147.828,185.038 151.511,185.038 153.101,186.628 153.101,186.788 ; 146.294,274.069 146.294,271.397 146.652,271.039 146.652,270.414 147.828,269.238 151.511,269.238 153.101,270.828 153.101,270.988 ; 146.294,358.269 146.294,355.597 146.652,355.238 146.652,354.614 147.828,353.438 151.511,353.438 153.101,355.027 153.101,355.188 ; 149.432,102.997 149.432,103.908 ; 149.432,187.197 149.432,188.108 ; 149.432,271.397 149.432,272.308 ; 149.432,355.597 149.432,356.508 ; 149.502,105.941 149.502,103.908 152.989,103.908 ; 149.502,190.141 149.502,188.108 152.989,188.108 ; 149.502,274.341 149.502,272.308 152.989,272.308 ; 149.502,358.54 149.502,356.508 152.989,356.508 ; 183.406,113.845 183.58,113.67 184.013,113.67 185.796,111.887 185.796,106.426 186.177,106.045 ; 183.406,198.045 183.58,197.87 184.013,197.87 185.796,196.087 185.796,190.626 186.177,190.245 ; 183.406,282.245 183.58,282.07 184.013,282.07 185.796,280.287 185.796,274.826 186.177,274.445 ; 183.406,366.445 183.58,366.27 184.013,366.27 185.796,364.487 185.796,359.026 186.177,358.645 ; 186.294,105.669 186.294,102.997 186.652,102.639 186.652,102.014 187.828,100.838 191.511,100.838 193.101,102.428 193.101,102.588 ; 186.294,189.869 186.294,187.197 186.652,186.839 186.652,186.214 187.828,185.038 191.511,185.038 193.101,186.628 193.101,186.788 ; 186.294,274.069 186.294,271.397 186.652,271.039 186.652,270.414 187.828,269.238 191.511,269.238 193.101,270.828 193.101,270.988 ; 186.294,358.269 186.294,355.597 186.652,355.238 186.652,354.614 187.828,353.438 191.511,353.438 193.101,355.027 193.101,355.188 ; 189.432,102.997 189.432,103.908 ; 189.432,187.197 189.432,188.108 ; 189.432,271.397 189.432,272.308 ; 189.432,355.597 189.432,356.508 ; 189.502,105.941 189.502,103.908 192.989,103.908 ; 189.502,190.141 189.502,188.108 192.989,188.108 ; 189.502,274.341 189.502,272.308 192.989,272.308 ; 189.502,358.54 189.502,356.508 192.989,356.508 ; 223.405,113.845 223.58,113.67 224.013,113.67 225.796,111.887 225.796,106.426 226.177,106.045 ; 223.405,198.045 223.58,197.87 224.013,197.87 225.796,196.087 225.796,190.626 226.177,190.245 ; 223.405,282.245 223.58,282.07 224.013,282.07 225.796,280.287 225.796,274.826 226.177,274.445 ; 223.405,366.445 223.58,366.27 224.013,366.27 225.796,364.487 225.796,359.026 226.177,358.645 ; 226.293,105.669 226.293,102.997 226.652,102.639 226.652,102.014 227.828,100.838 231.511,100.838 233.101,102.428 233.101,102.588 ; 226.293,189.869 226.293,187.197 226.652,186.839 226.652,186.214 227.828,185.038 231.511,185.038 233.101,186.628 233.101,186.788 ; 226.293,274.069 226.293,271.397 226.652,271.039 226.652,270.414 227.828,269.238 231.511,269.238 233.101,270.828 233.101,270.988 ; 226.293,358.269 226.293,355.597 226.652,355.238 226.652,354.614 227.828,353.438 231.511,353.438 233.101,355.027 233.101,355.188 ; 229.432,102.997 229.432,103.908 ; 229.432,187.197 229.432,188.108 ; 229.432,271.397 229.432,272.308 ; 229.432,355.597 229.432,356.508 ; 229.501,105.941 229.501,103.908 232.989,103.908 ; 229.501,190.141 229.501,188.108 232.989,188.108 ; 229.501,274.341 229.501,272.308 232.989,272.308 ; 229.501,358.54 229.501,356.508 232.989,356.508 ; 263.406,113.845 263.581,113.67 264.013,113.67 265.796,111.887 265.796,106.426 266.177,106.045 ; 263.406,198.045 263.581,197.87 264.013,197.87 265.796,196.087 265.796,190.626 266.177,190.245 ; 263.406,282.245 263.581,282.07 264.013,282.07 265.796,280.287 265.796,274.826 266.177,274.445 ; 263.406,366.445 263.581,366.27 264.013,366.27 265.796,364.487 265.796,359.026 266.177,358.645 ; 266.294,105.669 266.294,102.997 266.652,102.639 266.652,102.014 267.828,100.838 271.511,100.838 273.101,102.428 273.101,102.588 ; 266.294,189.869 266.294,187.197 266.652,186.839 266.652,186.214 267.828,185.038 271.511,185.038 273.101,186.628 273.101,186.788 ; 266.294,274.069 266.294,271.397 266.652,271.039 266.652,270.414 267.828,269.238 271.511,269.238 273.101,270.828 273.101,270.988 ; 266.294,358.269 266.294,355.597 266.652,355.238 266.652,354.614 267.828,353.438 271.511,353.438 273.101,355.027 273.101,355.188 ; 269.432,102.997 269.432,103.908 ; 269.432,187.197 269.432,188.108 ; 269.432,271.397 269.432,272.308 ; 269.432,355.597 269.432,356.508 ; 269.502,105.941 269.502,103.908 272.989,103.908 ; 269.502,190.141 269.502,188.108 272.989,188.108 ; 269.502,274.341 269.502,272.308 272.989,272.308 ; 269.502,358.54 269.502,356.508 272.989,356.508 ; 303.405,113.845 303.58,113.67 304.013,113.67 305.796,111.887 305.796,106.426 306.177,106.045 ; 303.405,198.045 303.58,197.87 304.013,197.87 305.796,196.087 305.796,190.626 306.177,190.245 ; 303.405,282.245 303.58,282.07 304.013,282.07 305.796,280.287 305.796,274.826 306.177,274.445 ; 303.405,366.445 303.58,366.27 304.013,366.27 305.796,364.487 305.796,359.026 306.177,358.645 ; 306.293,105.669 306.293,102.997 306.652,102.639 306.652,102.014 307.828,100.838 311.511,100.838 313.1,102.428 313.1,102.588 ; 306.293,189.869 306.293,187.197 306.652,186.839 306.652,186.214 307.828,185.038 311.511,185.038 313.1,186.628 313.1,186.788 ; 306.293,274.069 306.293,271.397 306.652,271.039 306.652,270.414 307.828,269.238 311.511,269.238 313.1,270.828 313.1,270.988 ; 306.293,358.269 306.293,355.597 306.652,355.238 306.652,354.614 307.828,353.438 311.511,353.438 313.1,355.027 313.1,355.188 ; 309.432,102.997 309.432,103.908 ; 309.432,187.197 309.432,188.108 ; 309.432,271.397 309.432,272.308 ; 309.432,355.597 309.432,356.508 ; 309.501,105.941 309.501,103.908 312.988,103.908 ; 309.501,190.141 309.501,188.108 312.988,188.108 ; 309.501,274.341 309.501,272.308 312.988,272.308 ; 309.501,358.54 309.501,356.508 312.988,356.508